# KiCad board einkPDA_keyboard.kicad_pcb (continued)
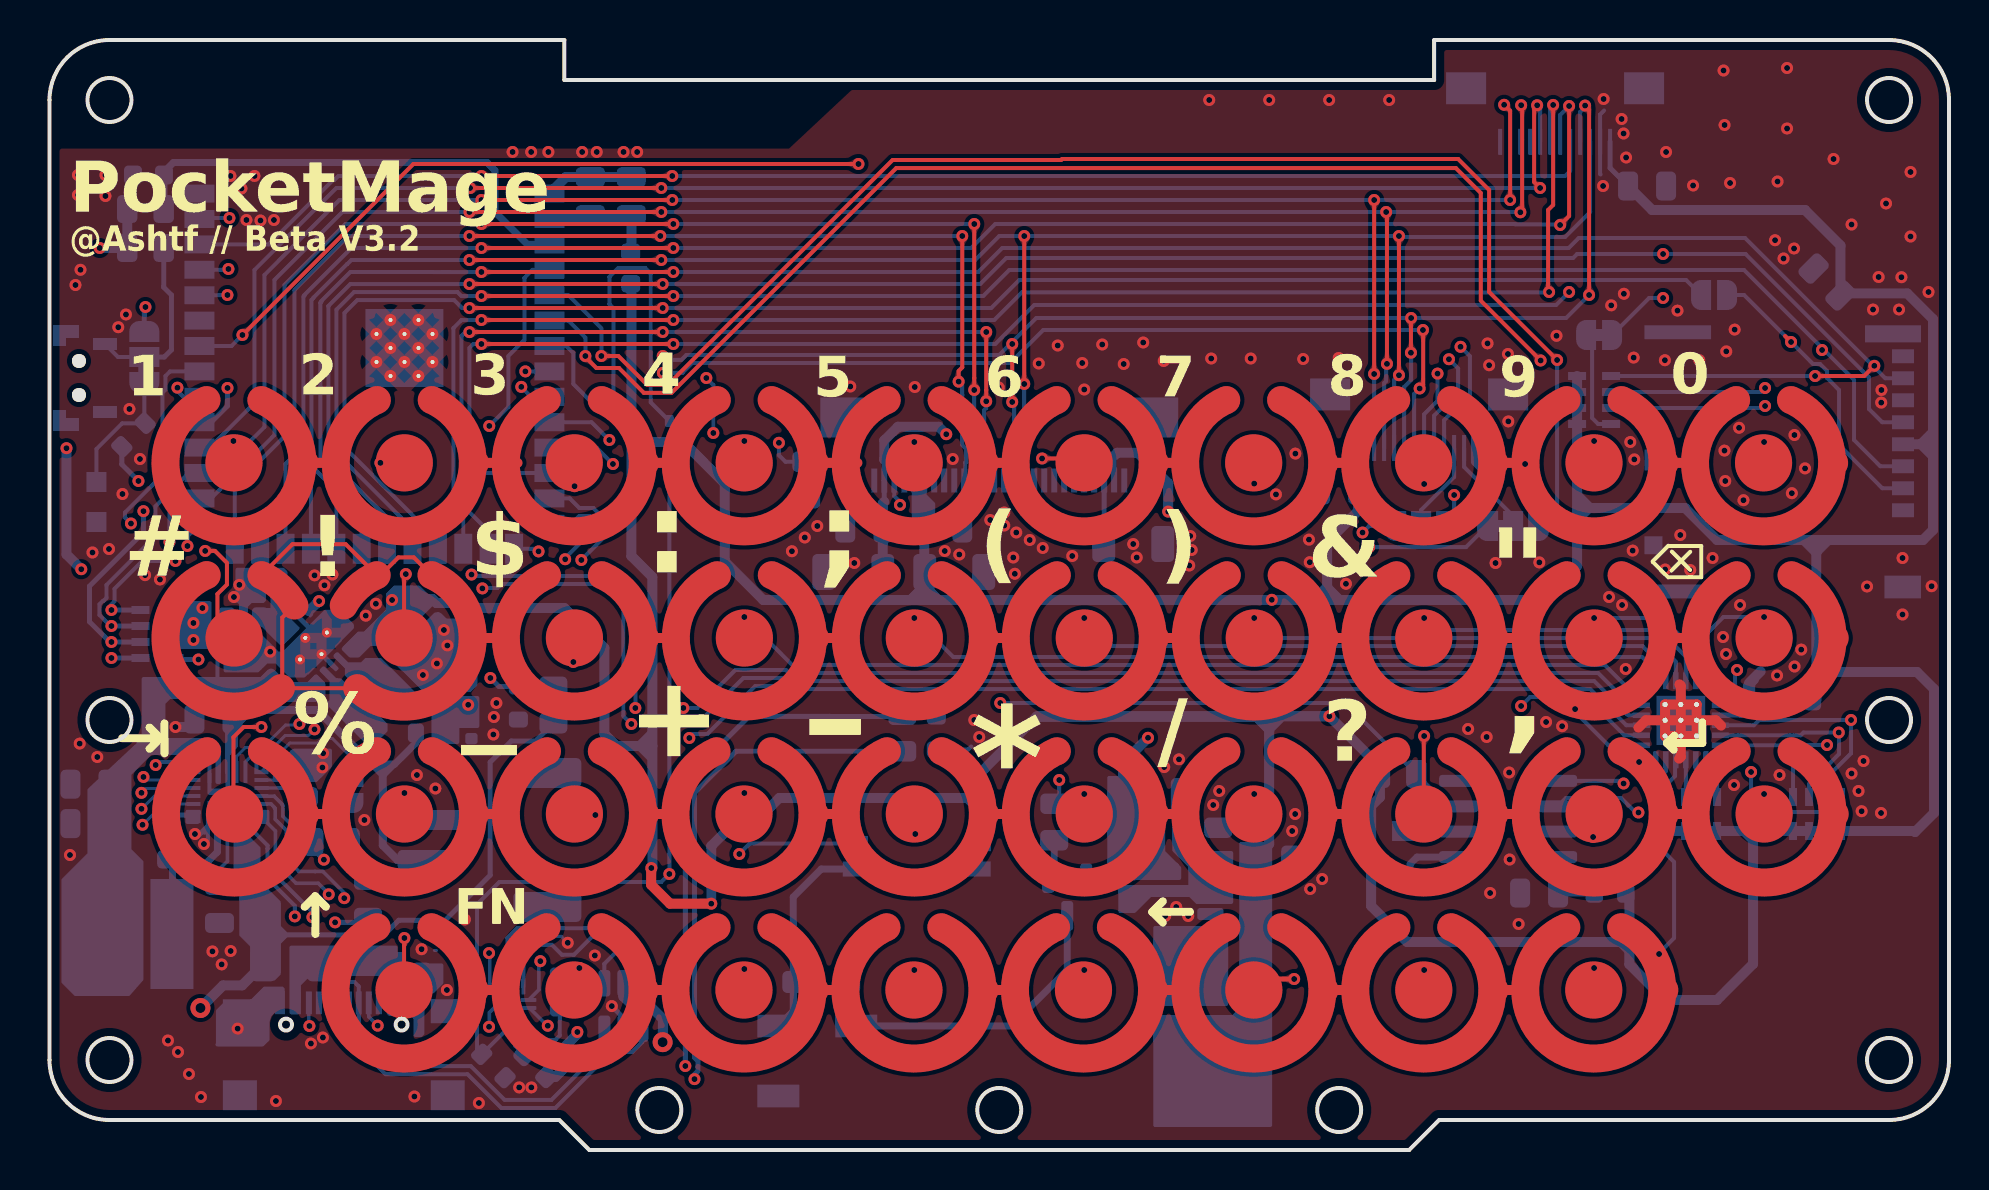
[diagram p0: board, top side]
## Footprints (pads in the part's own frame, mm; a bottom-side part is the same pattern mirrored in y, then rotated) (continued)
SolderJumper-3_P1.3mm_Bridged12_RoundedPad1.0x1.5mm
  custom 1.05x1.5 smd: 1(-1.3,0) 3(1.3,0)
  rect 1x1.5 smd: 2(0,0)
SOT-23
  rrect 1.475x0.6 smd: 1(-0.938,0.95) 2(-0.938,-0.95) 3(0.938,0)
SOT-23-5
  rrect 1.325x0.6 smd: 1(-1.137,0.95) 2(-1.137,0) 3(-1.137,-0.95) 4(1.137,-0.95) 5(1.137,0.95)
SOT-23-6
  rrect 1.325x0.6 smd: 1(-1.137,0.95) 2(-1.137,0) 3(-1.137,-0.95) 4(1.137,-0.95) 5(1.137,0) 6(1.137,0.95)
SW-SMD_TS24CA
  round 0.7 hole 0.7 unplated: (-0.85,0.325) (0.85,0.325)
  custom 1.05x1.3 smd: 1(-2.125,0.975) 2(2.125,0.975)
  rect 0.6x1.2 smd: 3(-1.7,-0.975) 4(1.7,-0.975)
TestPoint_Pad_1.0x1.0mm
  rect 1x1 smd: 1(0,0)
Texas_DRC0010J_ThermalVias
  rrect 0.25x0.34 smd: (-0.25,-1.53) (-0.25,1.53) (0.25,-1.53) (0.25,1.53)
  rrect 1.5x1.06 smd: (0,-0.63) (0,0.63)
  rrect 0.6x0.24 smd: 1(-1.4,1) 2(-1.4,0.5) 3(-1.4,0) 4(-1.4,-0.5) 5(-1.4,-1) 6(1.4,-1) 7(1.4,-0.5) 8(1.4,0) 9(1.4,0.5) 10(1.4,1)
  round 0.5 hole 0.2: 11(-0.575,0) 11(0,-0.95) 11(0,0.95) 11(0.575,0)
  custom 1.65x3.4 smd: 11(0,0)
TF-SMD_503398-1892
  rect 0.7x1.1 smd: 1(-2.42,6.27) 2(-1.32,6.27) 3(-0.22,6.27) 4(0.88,6.27) 5(1.98,6.27) 6(3.08,6.27) 7(4.18,6.27) 8(5.28,6.27)
  rect 0.7x3.33 smd: 9(-6.48,-4.995) 9(6.48,-4.995)
  rect 1.14x1.83 smd: 9(-6.26,6.255)
  rect 0.9x0.9 smd: 9(-4.17,-6.21)
  rect 1.05x0.78 smd: 9(0.095,-6.27)
  rect 0.86x2.8 smd: 9(6.4,5.77)
UQFN-10_1.4x1.8mm_P0.4mm
  rrect 0.975x0.2 smd: 1(-0.562,0.2)
  rrect 0.775x0.2 smd: 2(-0.662,-0.2) 6(0.662,-0.2) 7(0.662,0.2)
  rrect 0.2x0.775 smd: 3(-0.4,-0.863) 4(0,-0.863) 5(0.4,-0.863) 8(0.4,0.863) 9(0,0.863) 10(-0.4,0.863)
USB-TYPE-C-SMD_TYPE-C-16P-QTWT
  rect 0.5x1.14 smd: A1(-3.2,2.308) A4(-2.4,2.308) A9(2.4,2.308) A12(3.2,2.308)
  rect 0.3x1.14 smd: A5(-1.25,2.308) A6(-0.25,2.308) A7(0.25,2.308) A8(1.25,2.309) B5(1.75,2.308) B6(0.75,2.308) B7(-0.75,2.308) B8(-1.75,2.309)
  rect 1.7x1.5 smd: S1(-5.2,-2.309) S1(5.2,-2.309)
  rect 1.7x1.2 smd: S1(-5.2,1.891) S1(5.2,1.891)

## Nets
+3.3V: C6.2 C10.2 C16.1 C17.1 C21.2 C22.2 C24.1 C31.2 C32.2 FB1.1 FB2.2 FB3.1 J2.12 J3.21 J3.22 J4.4 J5.1 L1.1 R1.1 R11.2 R14.1 RN1.1 RN1.2 RN1.3 RN1.4 RN2.5 RN2.6 RN2.7 RN2.8 RN3.1 RN3.2 RN3.3 RN3.4 RN4.5 RN4.6 RN4.7 SW4.1 SW4.2 U3.1 U3.10 U7.4 U7.5 U10.9
+12V: C11.2 C12.1 C13.1 C15.1 D2.1 J3.2 J3.25 R12.1
GND: C1.1 C2.1 C3.1 C6.1 C7.2 C8.2 C9.1 C10.1 C12.2 C13.2 C14.2 C15.2 C16.2 C17.2 C19.2 C20.1 C21.1 C22.1 C23.1 C24.2 C25.2 C26.1 C28.1 C29.1 C30.1 C31.1 C32.1 J1.A1 J1.A12 J1.S1 J2.11 J3.4 J3.5 J3.6 J3.7 J3.8 J3.9 J3.13 J3.14 J3.18 J3.19 J3.20 J3.23 J4.6 J4.9 J5.12 JP6.1 Q1.2 R3.2 R7.2 R10.2 R13.2 R18.2 R20.2 SW43.4 TH1.2 TP2.1 U1.1 U1.40 U1.41 U2.2 U3.3 U3.9 U3.11 U4.4 U5.19 U5.25 U5.V U6.1 U7.2 U9.5 U9.18 U10.4
BAT+: C26.2 R6.1 U6.3 U9.12 U9.14
BAT_MEAS: C19.1 R6.2 R7.1 U1.4
BMS_INT: RN4.4 U1.33 U9.8
BOOT: JP2.1 R8.1 TP1.1
BUSY: J2.5 U1.30
BUZZER: R15.1 U1.10
BZ_CUTOFF: BZ1.1 D3.1 SW4.3
CHRG: R9.2 R10.1 U1.32
col1: SW1.1 SW2.1 SW3.1 U5.9
col2: SW7.1 SW8.1 SW9.1 SW10.1 U5.10
col3: SW13.1 SW14.1 SW15.1 SW16.1 U5.11
col4: SW19.1 SW20.1 SW21.1 SW22.1 U5.12
col5: SW25.1 SW26.1 SW27.1 SW28.1 U5.13
col6: SW31.1 SW32.1 SW33.1 SW34.1 U5.14
col7: SW37.1 SW38.1 SW39.1 SW40.1 U5.15
col8: SW5.1 SW6.1 SW11.1 SW12.1 U5.16
col9: SW17.1 SW18.1 SW23.1 SW24.1 U5.17
col10: SW29.1 SW30.1 SW35.1 U5.18
CS: J2.8 U1.38
D/C: J2.7 U1.23
EN: C1.2 R1.2 U1.3
ESP_D+: U1.14 U10.2
ESP_D-: U1.13 U10.6
EX_A: J5.7 U1.15
EX_B: J5.8 U1.11
EX_C: J5.9 U1.34
EX_D: JP4.3 U1.6
EX_E: JP5.3 U1.5
I2C_SCL: J2.3 J5.3 RN1.6 RN4.2 U1.28 U4.6 U5.23 U9.16
I2C_SDA: J2.2 J5.2 RN1.7 RN4.3 U1.29 U4.5 U5.22 U9.15
IC_D+: U9.21 U10.1
IC_D-: U9.20 U10.7
INT: RN1.5 U1.12 U5.24
OLED_CS: J3.17 U1.24
OLED_D/C: J3.15 U1.16
OLED_RES: J3.16 U1.26
PWR_BTN: JP2.3 U1.31
RES: J2.6 U1.17
row1: SW1.2 SW5.2 SW7.2 SW13.2 SW17.2 SW19.2 SW25.2 SW29.2 SW31.2 SW37.2 U5.8
row2: SW2.2 SW6.2 SW8.2 SW14.2 SW18.2 SW20.2 SW26.2 SW30.2 SW32.2 SW38.2 U5.7
row3: SW3.2 SW9.2 SW11.2 SW15.2 SW21.2 SW23.2 SW27.2 SW33.2 SW35.2 SW39.2 U5.6
row4: SW10.2 SW12.2 SW16.2 SW22.2 SW24.2 SW28.2 SW34.2 SW40.2 U5.5
RTC_INT: R11.1 U1.39 U4.3
RX: JP5.1 U1.36
SD_CLK: J4.5 JP3.1 U1.20
SD_CMD: J4.3 RN3.6 U1.19
SD_CS: JP1.1 U1.18
SD_D0: J4.7 RN3.5 U1.21
SPI_MISO: J5.6 U1.9
SPI_MOSI: J2.10 J3.11 J5.4 U1.22
SPI_SCK: J2.9 J3.12 J5.5 U1.8
TX: JP4.1 U1.37
USB_5V: F1.2 R9.1 U2.5 U9.2
USB_D+: U2.6 U10.3
USB_D-: U2.4 U10.5
USB_SW: D5.2 U1.7
V_SYS: C28.2 C29.2 C30.2 L2.2 R2.2 U3.5 U9.13
Net-(BZ1--): BZ1.2 D3.2 Q1.3
Net-(C20-Pad2): C20.2 F1.1 J1.A4 J1.A9
Net-(D1-A): D1.2 R16.1
Net-(D1-K): D1.1 U9.11
Net-(D2-A): D2.2 L1.2 U7.1
Net-(D5-K): D5.1 R18.1 SW4.4 U10.10
Net-(J1-CC1): J1.A5 U9.1
Net-(J1-CC2): J1.B5 U9.22
Net-(J1-D+-PadA6): J1.A6 J1.B6 U2.1
Net-(J1-D--PadA7): J1.A7 J1.B7 U2.3
Net-(J3-Pin_3): C14.1 J3.3
Net-(J3-Pin_24): J3.24 R20.1
Net-(J4-DAT3/CD): J4.2 JP1.2 RN3.7
Net-(J5-Pin_10): J5.10 JP4.2
Net-(J5-Pin_11): J5.11 JP5.2
Net-(JP2-C): JP2.2 R14.2 SW43.3
Net-(JP3-B): JP3.2 RN3.8
Net-(JP6-B): JP6.2 U9.17
Net-(Q1-B): Q1.1 R15.2
Net-(RN1-R1.2): RN1.8 U5.20
Net-(RN2-R1.1): RN2.1 U5.4
Net-(RN2-R2.1): RN2.2 U5.3
Net-(RN2-R3.1): RN2.3 U5.2
Net-(RN2-R4.1): RN2.4 U5.1
Net-(RN4-R1.1): RN4.1 U9.9
Net-(RN4-R1.2): C25.1 R16.2 RN4.8 U9.19
Net-(U1-3V3): C2.2 C3.2 FB1.2 U1.2
Net-(U1-IO0): R8.2 U1.27
Net-(U3-EN): C7.1 R2.1 U3.6 U3.7 U3.8
Net-(U3-L1): L3.1 U3.4
Net-(U3-L2): L3.2 U3.2
Net-(U4-OSCI): U4.1 Y1.1
Net-(U4-OSCO): U4.2 Y1.2
Net-(U4-VDD): C9.2 FB3.2 U4.8
Net-(U5-VCC): C8.1 FB2.1 U5.21
Net-(U7-FB): C11.1 R12.2 R13.1 U7.3
Net-(U9-BST): C27.2 U9.6
Net-(U9-NTC1): R17.1 TH1.1 U9.10
Net-(U9-PMID): C23.2 U9.3
Net-(U9-SW): C27.1 L2.1 U9.4
Net-(U9-VRNTC): R17.2 U9.7
Net-(U10-~{OE}): R3.1 U10.8

Pads without a net: BZ1 3; J1 A8 B8; J2 0 1 4; J3 1 10 26; J4 1 8; J5 0; SW43 1 2; U1 25 35; U4 7

## Via types
v1: diameter 0.6, hole 0.3, Top to Bottom, 432 vias
v2: diameter 1, hole 0.5, Top to Bottom, 2 vias

## Routing (per net, layer and track width the routed paths; a pad name or vN(x,y) marks a point on that pad's centre or on a via; arc(x,y) is an arc through that point)
+3.3V: length 394.3
  Top w0.5: v1(33.1,12.32) 31.03,12.32 30.09,13.26 30.09,14.09 v1(30.1,14.1)
  In2.Cu w0.25: 13.45,27.48 v1(13.48,27.44)
  In2.Cu w0.5: v1(0.85,35.09) 2.51,36.75 v1(2.51,45.1) ; 7.65,27.77 7.65,28.73 10.33,31.4 13.55,31.4 ; 7.65,27.77 v1(7.65,27.1) 7.25,26.7 7.24,26.7 7.24,26.39 v1(7.2,26.35) v1(7.2,25.5) ; 7.65,27.77 4.56,27.77 3.28,29.04 v1(1.59,29.04) ; v1(17.13,27.5) 17.13,28.3 17.05,28.39 17.05,29.01 17.13,29.1 17.13,30.02 15.75,31.4 13.55,31.4 ; v1(13.48,27.44) 11.92,29 11.92,31.4 13.55,31.4 ; v1(61.13,27.51) 64.01,24.63 v1(64.01,21.69) ; v1(26.4,5.9) 28.83,5.9 30.1,7.17 v1(30.1,14.1)
  Bottom w0.2: C6.2 23.3,5.2 U10.9 ; 12.99,26.89 U3.10
  Bottom w0.25: v1(13.48,27.44) 12.93,26.89 U3.10 ; J2.12 78.05,49.1 C21.2
  Bottom w0.5: 88.4,30.5 83.4,30.5 81.8,32.1 76.4,32.1 ; 88.4,30.5 88.36,30.46 88.36,22.5 88.36,23.9 93.4,23.9 94.25,23.05 94.25,16.85 93.3,15.9 93.25,15.95 85.2,15.95 ; 88.4,30.5 93.7,30.5 94.2,31 94.2,35.3 ; 76.4,32.1 RN3.4 ; 76.4,32.1 76.4,29.2 74.7,27.5 63.9,27.5 ; 94.2,35.3 94.19,35.29 J4.4 ; 94.2,35.3 94.2,41.54 92.91,42.83 89.67,42.83 C24.1 89.57,45.23 87.8,47 80.15,47 C21.2 ; C10.2 61,15.3 61,21.66 49.36,21.66 ; 46.45,17.6 36.5,17.6 35.9,17 34.9,17 33.1,15.2 v1(33.1,12.32) ; 46.45,17.6 46.45,18.75 49.36,21.66 ; 46.45,17.6 SW4.2 ; 79.01,10.4 79.01,12.85 ; 79.01,10.4 67.9,10.4 66.1,12.2 66.1,17.2 66.54,17.64 R11.2 66.54,19.16 v1(64.01,21.69) ; 79.01,10.4 79.01,9.29 80.8,7.5 83.4,7.5 85.2,9.3 85.2,15.95 ; C17.1 43.75,27.65 43.8,27.6 ; 29.1,35.4 31.7,35.4 33.78,33.33 33.78,29.42 35.7,27.5 63.9,27.5 ; 29.1,35.4 29.1,29.7 30.15,28.65 30.15,20.2 ; 29.1,35.4 29.1,43.04 ; 30.15,20.2 30.15,14.15 v1(30.1,14.1) ; 30.15,20.2 28.35,20.2 27.75,20.8 27.75,25.1 25.75,27.1 20.55,27.1 20.3,27.35 19.35,27.35 19.15,27.55 18.01,27.55 C32.2 ; v1(64.01,21.69) 61.79,21.69 ; v1(64.01,21.69) 49.39,21.69 49.36,21.66 ; 85.2,15.95 RN2.8 ; C6.2 25.35,4.75 26.4,5.8 v1(26.4,5.9) ; R1.1 R14.1 v1(2.51,45.1) ; 63.9,27.5 63.9,30.4 65.45,31.95 C22.2 65.45,34.85 65.7,35.1 ; v1(13.48,27.44) 13.39,27.36 13.38,27.36 12.97,26.95 ; v1(0.85,35.09) 0.85,29.78 v1(1.59,29.04)
+12V: length 44.1
  In2.Cu w0.5: v1(44.85,35.79) 44.85,35.77 45.29,35.33 52.54,35.33 v1(55.95,31.92) 55.95,21.62 v1(54.94,20.61)
  Bottom w0.25: 41.74,34.53 41.75,34.52 J3.25 41.75,32.41 ; J3.2 53.25,34.71 53.26,34.72
  Bottom w0.3: 53.26,34.72 53.25,34.71
  Bottom w0.5: v1(44.85,35.79) 44.48,36.16 42.43,36.16 41.75,35.48 41.75,34.53 41.74,34.53 ; v1(55.95,31.92) 55.95,33.34 54.43,34.86 53.4,34.86 53.26,34.72 ; C13.1 41.67,32.33 41.75,32.41 ; C12.1 53.7,19.37 v1(54.94,20.61)
GND: length 44.4
  Top w0.5: 81.5,19.57 81.59,19.66 U5.V ; 81.52,23.28 81.59,23.21 U5.V ; U5.V U5.V U5.V U5.V ; U5.V U5.V U5.V U5.V ; U5.V U5.V ; 79.47,21.12 79.84,21.49 U5.25 83.33,21.49 83.6,21.22
  Bottom w0.15: 11.43,18.5 11.46,18.53 ; v1(25.92,10.36) 25.6,10.68 23.51,10.68 23.3,10.47 U10.4 ; 19.25,9.97 19.35,9.97
  Bottom w0.16: U9.18 11.43,18.5
  Bottom w0.18: 81.18,21.84 81.18,21.87 U5.V
  Bottom w0.2: 46.1,20.17 45.95,20.03 TH1.2 ; 77.57,48.77 77.55,48.8 J2.11 77.55,51.77 77.75,51.98 ; 7.76,15.86 7.76,15.99 8,16.23 U9.5 7.92,16.82 7.92,15.5 v1(7.72,15.3)
  Bottom w0.25: v1(7.27,15.8) 7.32,15.75 7.47,15.75 8,16.28 U9.5 ; v1(28.12,7.2) 28.7,6.62 U2.2 ; U3.11 13.2,25.9 U3.9 ; U3.3 U3.11
  Bottom w0.5: 26.79,8.05 26.17,8.05 25.5,8.72 ; 25.95,4.3 25.3,3.65 C6.1 ; C26.1 6.85,21.15 v1(6.3,21.15) ; C8.2 85,23.28 85.25,23.53 ; U1.1 25.83,48.65 C2.1 ; 85,23.35 85.58,23.93
  vias: v1(1.02,14.75) v1(1.3,43.25) v1(1.42,48.75) v1(1.42,47.75) v1(1.55,44.01) v1(1.51,20.32) v1(2.15,29.88) v1(2.39,19.65) v1(2.8,48.75) v1(2.8,47.7) v1(2.98,30.05) v1(3.44,41.14) v1(3.65,32.8) v1(3.83,41.77) v1(4,37.05) v1(4.53,34.55) v1(4.78,28.74) v1(5.53,28.52) v1(5.92,5.47) v1(6.42,4.9) v1(6.97,3.8) v1(7.58,2.65) v1(8.15,9.93) v1(8.61,9.28) v1(9.05,48.7) v1(9.06,9.95) v1(9.22,27.65) v1(9.41,6.07) v1(9.5,28.26) v1(9.6,48.08) v1(9.85,46.5) v1(10.25,48.7) v1(10.55,46.48) v1(11.04,24.91) v1(11.22,46.5) v1(11.33,2.45) v1(13.08,5.33) v1(13.26,28.73) v1(13.69,19.84) v1(13.65,19.12) v1(13.67,5.62) v1(13.75,28.24) v1(14.15,28.77) v1(15.75,16.5) v1(15.82,26.72) v1(16.33,27.31) v1(18.25,2.67) v1(18.38,18.75) v1(18.61,10.04) v1(18.67,23.75) v1(19.3,18.08) v1(19.38,24.33) v1(19.72,26) v1(19.9,25.22) v1(19.88,8) v1(20.78,11.53) v1(21.47,2.35) v1(22.22,21.65) v1(22.2,20.78) v1(22.35,22.35) v1(23.16,49.9) v1(23.49,3.13) v1(24.09,49.9) v1(24.1,3.13) v1(24.95,49.9) v1(26.64,49.9) v1(27.28,9.72) v1(27.37,49.9) v1(28.71,49.9) v1(29.39,49.9) v1(37.13,29.94) v1(37.78,30.62) v1(38.4,31.2) v1(40.05,38.17) v1(40.25,29.35) v1(43.28,38.15) v1(44.78,29.95) v1(45.17,34.55) v1(45.5,29.77) v1(46.25,21.5) v1(46.5,20.65) v1(47.05,31.5) v1(47.47,38.12) v1(47.75,31.88) v1(47.75,31.23) v1(48.2,29.62) v1(48.35,30.88) v1(48.28,28.81) v1(49.03,30.5) v1(49.47,39.33) v1(49.67,30.1) v1(50.42,40.23) v1(51.15,29.7) v1(51.65,39.35) v1(51.75,38.02) v1(52.65,40.27) v1(53.72,39.3) v1(54.2,30.3) v1(54.38,29.62) v1(54.7,40.38) v1(55.72,39.45) v1(55.75,19.15) v1(55.8,11.7) v1(56.35,12.15) v1(56.49,19.53) v1(57.05,30.7) v1(57,29.23) v1(56.95,11.7) v1(57.12,30) v1(58,52.5) v1(58.1,39.58) v1(58.2,17.25) v1(58.5,17.95) v1(60.08,39.58) v1(61,52.5) v1(61.34,32.78) v1(62.15,15.95) v1(62.31,34.82) v1(62.3,16.8) v1(62.7,39.55) v1(62.99,30.52) v1(63.03,29.39) v1(63.05,13.05) v1(63.65,13.55) v1(64,52.5) v1(64.47,39.6) v1(64.84,28.31) v1(67,52.5) v1(70.95,21.05) v1(71.92,40.33) v1(71.88,20.65) v1(72,39.24) v1(72.05,12.85) v1(72.32,29.35) v1(72.94,39.8) v1(72.96,36.43) v1(73,18.88) v1(73.03,14.53) v1(73.47,11.3) v1(74.51,29.38) v1(74.85,21.4) v1(75.37,40.71) v1(75.65,21.19) v1(77.72,52.55) v1(77.7,48.2) v1(78,27.65) v1(78.11,42.23) v1(78.62,51.55) v1(78.72,50.83) v1(78.74,42.81) v1(78.65,27.25) v1(78.85,49.62) v1(78.83,24.05) v1(79.06,35.4) v1(79.23,39.62) v1(79.18,29.97) v1(79.26,34.53) v1(80.85,49.9) v1(80.79,39.49) v1(80.8,29.02) v1(81.42,41.97) v1(81.56,30.75) v1(82.06,29) v1(82.2,48.23) v1(82.51,39.49) v1(83.18,29.6) v1(83.72,53.98) v1(83.7,25.65) v1(83.78,51.25) v1(83.77,34.97) v1(83.81,33.45) v1(83.85,24.8) v1(83.86,39.93) v1(84.05,48.35) v1(84.28,41.02) v1(84.25,18.25) v1(84.5,36.11) v1(84.55,27.25) v1(84.72,32.49) v1(86.3,45.49) v1(86.43,48.42) v1(86.4,23.72) v1(86.53,18.75) v1(86.72,44.58) v1(86.9,54.1) v1(86.9,51.08) v1(87.14,32.84) v1(87.25,45.08) v1(87.27,35.75) v1(87.28,24.17) v1(87.61,25.02) v1(87.8,34.08) v1(89.22,49.55) v1(90.12,46.27) v1(90.12,18.83) v1(90.47,17.95) v1(90.63,16.94) v1(90.72,19.45) v1(90.9,28.17) v1(91.2,42.02) v1(91.48,43.65) v1(91.62,38) v1(91.61,37.37) v1(91.6,16.85) v1(91.85,47.33) v1(92.5,42.02) v1(92.62,43.64) v1(92.68,29.6) v1(92.68,26.77) v1(93.07,48.9) v1(93.07,45.67) v1(93.97,42.9) v1(94.13,28.19)
(no net): length 10.6
  Top w0.2: 10.6,28.74 12.15,30.29 14.81,30.29 16.36,28.74 16.68,29.06 16.88,29.06 17.45,29.63 18.22,29.63 18.79,29.06 18.96,29.06 19.11,28.91 19.11,28.75
BAT+: length 20.2
  Bottom w0.25: 9.08,20.01 8.9,19.83 U9.14
  Bottom w0.35: 16.2,19.29 17.26,19.29 18.33,20.36 R6.1
  Bottom w0.4: 9.08,21.02 10.06,22 13.4,22 16.11,19.29 16.66,19.29 16.67,19.28 16.67,15.23 17.4,14.5 U6.3
BAT_MEAS: length 24.2
  In2.Cu w0.2: v1(22,36.2) 22.25,35.95 22.25,27.75 20.94,26.44 v1(20.94,22.26)
  Bottom w0.2: v1(22,36.2) 22.95,37.16 22.95,39.7 23.75,40.5 23.75,43.6 24.16,44.01 U1.4 ; 20.92,22.28 v1(20.94,22.26)
BMS_INT: length 38.3
  In2.Cu w0.15: v1(3.1,27) 1.4,27 0.58,26.18 0.58,19.92 3.44,17.06 v1(4.6,17.06)
  In2.Cu w0.2: v1(6.3,29.45) 6.05,29.45 4.17,31.33 v1(4.08,31.33)
  Bottom w0.15: v1(3.1,27) 4.9,27 ; v1(4.6,17.06) 4.61,17.06 5.26,17.7 U9.8
  Bottom w0.2: v1(4.08,31.33) 3.78,31.62 3.78,31.88 5.65,33.75 5.65,37.87 5.8,38.02 5.8,38.7 6.03,38.93 U1.33 ; v1(6.3,29.45) 4.64,29.45 3.25,28.06 3.25,27.43 3.1,27.28 v1(3.1,27)
  Bottom w0.25: v1(3.1,27) RN4.4
BOOT: length 7.1
  Bottom w0.2: TP1.1 2.35,35.05 3.63,36.33 R8.1 ; 4.83,35.93 4.74,36.03 JP2.1
BUSY: length 82.4
  Top w0.2: v1(74.55,48.1) 74.25,48.4 74.25,52.09 v1(74.4,52.24) ; v1(30.6,48.1) v1(21.03,48.1)
  Bottom w0.2: v1(30.6,48.1) 74.4,48.1 ; v1(21.03,48.1) 14.35,48.1 10.25,44 10.25,37.35 8.02,35.12 U1.30 ; v1(74.4,52.24) 74.55,52.09 J2.5
BUZZER: length 61
  In2.Cu w0.2: v1(50.5,18.5) 50.5,11.25 46.75,7.5 35.45,7.5 34.1,8.85 34.1,9.4 35.82,11.12 35.82,15.78 34.1,17.5 34.1,29.4 v1(28,35.5)
  Bottom w0.2: v1(50.5,18.5) 50.5,17.56 R15.1 ; v1(28,35.5) 27.11,36.39 U1.10
BZ_CUTOFF: length 10.4
  Bottom w0.35: BZ1.1 37.2,6.95 D3.1 37.2,12.65 38.6,14.05 SW4.3
CHRG: length 35.1
  In2.Cu w0.2: v1(6.4,38.12) 8.11,36.4 18.57,36.4 18.97,36.8 22.24,36.8 22.65,36.4 22.65,24.2 v1(22.05,23.6)
  Bottom w0.2: U1.32 6.69,37.66 6.4,37.95 6.4,38.11 v1(6.4,38.12)
  Bottom w0.25: R9.2 23.46,23.16 R10.1 22.47,23.17 v1(22.05,23.6)
col1: length 126.9
  Top w0.2: SW1.1 9.23,35.42 v1(9.2,35.45) ; SW2.1 8.4,26.43 8.4,27.8 8.88,28.27 8.88,29.35 8.28,29.95 v1(7.79,29.95) ; v1(10.6,21.15) 9.71,21.15 9.2,20.64 9.2,17.9 9.25,17.85 SW3.1
  In2.Cu w0.2: v1(29.1,21.3) 29.54,21.3 30.14,20.7 31.9,20.7 v1(32,20.6) ; v1(21.65,28.08) 21.65,28.12 21.71,28.18 21.71,32.34 18.06,35.99 9.74,35.99 v1(9.2,35.45) 9.2,31.4 7.8,30 7.8,29.97 v1(7.79,29.95) 7.78,29.95 6.68,28.85 6.05,28.85 5.73,29.17 5.72,29.17 4.24,30.65 1.67,30.65 0.62,29.6 0.62,28.25 1.24,27.63 3.61,27.63 3.82,27.42 3.82,26.95 9.62,21.15 v1(10.6,21.15)
  Bottom w0.2: v1(21.65,28.08) 21.67,28.1 22.4,28.1 22.6,28.3 28.3,28.3 28.7,27.9 28.7,21.7 v1(29.1,21.3) ; U5.9 78.86,21.24 77.05,23.05 36.65,23.05 36.5,23.2 35.3,23.2 32.9,20.8 32.2,20.8 v1(32,20.6)
col2: length 102.3
  Top w0.2: v1(17.82,28.8) 17.83,28.79 17.83,28.73 17.73,28.63 SW8.1 ; v1(16.55,34.36) SW7.1 ; v1(17.75,10.6) 17.75,10.25 17.73,10.23 SW10.1
  In2.Cu w0.2: v1(16.55,34.36) 17.75,33.16 17.75,23.79 18.8,22.74 18.8,22.46 17.75,21.41 v1(17.75,17.85) v1(17.75,10.6) ; 17.75,28.7 20.96,28.7 21.03,28.77 v1(21.11,28.77) ; v1(32.6,21.5) 30.5,21.5 29.9,22.1 v1(29.3,22.1)
  Bottom w0.2: v1(29.3,22.1) 29.3,28.2 28.8,28.7 21.18,28.7 21.11,28.77 v1(21.11,28.77) ; v1(32.6,21.5) 34.7,23.6 36.67,23.6 36.82,23.45 77.25,23.45 78.89,21.81 78.89,21.8 78.9,21.8 78.96,21.74 U5.10
col3: length 84.2
  Top w0.2: SW13.1 26.26,34.34 v1(26.26,33.19) ; SW16.1 26.23,8.83 v1(26.5,9.1)
  In2.Cu w0.2: v1(26.5,9.1) 26.78,9.38 26.67,9.48 26.67,9.97 26.98,10.28 26.98,16.43 v1(27.3,16.75) 26.2,17.85 v1(26.2,24.4) ; v1(26.2,24.4) 26.2,28.15 27.25,29.2 27.25,32.2 v1(26.26,33.19) ; v1(26.2,24.4) 26.3,24.5 26.3,24.4 28,22.7 29.55,22.7 29.75,22.5 30.07,22.5 30.07,22.5 31.3,22.5 v1(31.7,22.1)
  Bottom w0.2: v1(31.7,22.1) 32.4,22.1 34.3,24 36.83,24 36.98,23.85 77.45,23.85 78.89,22.41 78.89,22.38 78.97,22.3 79,22.3 79.06,22.24 U5.11
col4: length 75.5
  Top w0.2: SW19.1 34.75,35.45 v1(34.75,35.45)
  In2.Cu w0.2: v1(34.75,9.05) 36.59,10.89 36.59,16.01 v1(34.75,17.85) v1(34.75,26.65) v1(34.75,35.45)
  Bottom w0.2: v1(34.75,26.65) 37.15,24.25 77.78,24.25 79.29,22.74 U5.12
col5: length 69.4
  Top w0.2: v1(43.25,35.4) 43.25,35.4 SW25.1
  In2.Cu w0.2: v1(43.25,35.4) v1(43.25,26.6) 42.4,26.6 40.55,24.75 40.55,17.75 42.5,15.8 v1(43.3,15.8) 43.25,15.75 v1(43.25,9)
  Bottom w0.2: U5.13 80.34,23.96 79.65,24.65 45.2,24.65 v1(43.25,26.6)
col6: length 60.5
  Top w0.2: SW31.1 51.39,34.71 51.39,34.58 v1(49.64,34.58)
  In2.Cu w0.2: v1(49.64,34.58) 51.19,34.58 51.75,34.01 v1(51.75,26.6) v1(51.75,17.8) v1(51.75,9)
  Bottom w0.2: U5.14 80.84,24.03 79.67,25.2 53.15,25.2 v1(51.75,26.6)
col7: length 51.8
  Top w0.2: v1(60.25,33.32) 60.25,34.33 SW37.1
  Top w0.25: v1(62.25,8.55) 60.78,8.55 SW40.1
  In2.Cu w0.2: v1(62.25,8.55) 60.25,10.55 v1(60.25,17.8) v1(60.25,26.6) v1(60.25,33.32)
  Bottom w0.2: U5.15 81.34,24.41 80.15,25.6 61.25,25.6 v1(60.25,26.6)
col8: length 48
  Top w0.2: SW11.1 68.73,20.68 v1(68.75,20.7) ; v1(68.75,33.3) 68.73,33.32 SW5.1
  In2.Cu w0.2: v1(68.75,9) 66.6,9 65.85,9.75 65.85,17.8 v1(68.75,20.7) v1(68.75,26.6) v1(68.75,33.3)
  Bottom w0.2: v1(68.75,26.6) 69.35,26 80.5,26 81.84,24.66 U5.16
col9: length 34.7
  Top w0.2: SW17.1 77.25,35.45 v1(77.25,35.45)
  In2.Cu w0.2: v1(77.25,9.1) 77.25,15.5 77.2,15.55 v1(77.2,15.65) 77.2,17.85 77.25,17.9 v1(77.25,26.6) v1(77.25,35.45)
  Bottom w0.2: v1(77.25,26.6) 80.65,26.6 82.34,24.91 U5.17
col10: length 23.2
  In2.Cu w0.2: v1(85.75,17.8) v1(85.75,26.65) v1(85.75,35.4)
  Bottom w0.2: U5.18 82.84,25.77 83.72,26.65 v1(85.75,26.65)
CS: length 71.5
  Top w0.2: v1(21.6,48.7) v1(31.15,48.7)
  Bottom w0.2: J2.8 76.05,48.95 75.8,48.7 v1(31.15,48.7) ; v1(21.6,48.7) 21.28,48.7 20.79,48.7 20.78,48.7 14.45,48.7 14.25,48.5 14.18,48.5 10.96,45.28 U1.38
D/C: length 85.8
  Top w0.2: v1(75.55,46.25) 76,46.7 v1(76,52.2) ; v1(21.6,45.1) v1(31.2,45.1)
  Bottom w0.2: J2.7 75.55,51.75 v1(76,52.2) ; 19.4,45.1 21.53,45.1 21.53,45.1 v1(21.6,45.1) ; 19.4,45.1 19.15,45.1 19.15,45.1 15.1,45.1 12.75,42.75 12.75,42.72 12.7,42.67 12.7,34.04 12.75,33.99 12.75,33.95 13.08,33.63 U1.23 ; 19.4,45.1 19.65,45.1 19.65,45.1 19.93,45.1 ; v1(75.55,46.25) 75.52,46.28 73.31,46.28 73.3,46.3 47.3,46.3 46.1,45.1 v1(31.2,45.1)
EN: length 24.2
  Bottom w0.35: R1.2 5.72,47.06 5.72,48.75 ; U1.3 23.9,45.28 22.28,46.9 22.28,48.98 21.88,49.38 6.2,49.38 5.67,48.85
ESP_D+: length 29
  In2.Cu w0.2: v1(25.79,29.54) 25.84,29.54 25.85,29.55 23.2,26.9 23.2,11 22.05,9.85 v1(21.98,9.85)
  Bottom w0.18: U10.2 22.03,8.11 22.03,9.81 v1(21.98,9.85)
  Bottom w0.2: v1(25.79,29.54) 25.79,29.59 27.2,31 27.2,31.5 27,31.7 26.5,31.7 26.11,31.31 U1.14
ESP_D-: length 29.4
  In2.Cu w0.2: v1(26.6,29.5) 23.8,26.7 23.8,11 24.49,10.31 24.53,10.31 24.53,9.46 v1(24.55,9.44)
  Bottom w0.18: U10.6 24.47,8.01 24.47,9.37 24.55,9.44 v1(24.55,9.44)
  Bottom w0.2: v1(26.6,29.5) 27.7,30.6 27.7,31.6 27.2,32.1 26.5,32.1 26.02,32.58 U1.13
EX_A: length 121.1
  In2.Cu w0.2: 33.37,17.1 33.37,28.05 26.73,34.69 25.55,34.69 24.62,33.76 24.62,30.09 v1(24.46,29.93) ; 33.37,17.1 35.1,15.37 35.1,11.46 33.43,9.79 33.43,7.97 35.62,5.78 52,5.78 53.95,7.73 53.95,15.36 57.93,19.34 57.93,34.05 58.71,34.83 61.11,34.83 62.23,33.71 62.23,29.19 64.27,27.15 67.05,27.15 68.03,28.13 68.03,35.46 69.42,36.85 v1(69.42,38.82) ; 33.37,17.1 33.37,16.66
  Bottom w0.2: J5.7 68.75,36.79 69.42,37.46 v1(69.42,38.82) ; v1(24.46,29.93) 24.33,30.06 U1.15
EX_B: length 73.2
  In2.Cu w0.2: v1(28.18,34.3) 27.4,35.08 27.4,35.75 28.22,36.57 45.73,36.57 46.37,35.93 62.68,35.93 63.63,34.98 63.63,29.81 64.38,29.06 66.83,29.06 67.49,29.72 67.49,34.4 65.16,36.73 65.16,39.14 65.93,39.91 67.17,39.91 67.85,39.23 68.45,39.23 68.76,39.54 v1(69.99,39.54)
  Bottom w0.2: J5.8 69.25,36.72 70.45,37.92 70.45,39.08 v1(69.99,39.54) ; v1(28.18,34.3) 27.36,35.12 U1.11
EX_C: length 76.4
  Top w0.2: v1(9.65,40.75) 18.2,49.3 v1(40.46,49.3)
  In2.Cu w0.2: v1(70.57,40.16) 70.55,40.14 68.66,40.14 59.5,49.3 v1(40.46,49.3)
  Bottom w0.2: v1(9.65,40.75) 9.1,40.2 U1.34 ; v1(70.57,40.16) 71.04,39.69 71.04,37.78 69.75,36.49 J5.9
EX_D: length 73.6
  Top w0.2: v1(74.58,39.47) 71.58,42.47 71.58,47.85 70.33,49.1 42.35,49.1 31.11,37.86 29.73,37.86 28.48,39.1 27.35,39.1 26.8,39.65 v1(26.8,39.7)
  In2.Cu w0.2: v1(74.58,39.47) 74.58,37.08 v1(70.25,32.75)
  Bottom w0.2: U1.6 25.95,41.47 26.8,40.62 v1(26.8,39.7) ; v1(70.25,32.75) 70.25,31.55 JP4.3
EX_E: length 73.7
  Top w0.2: v1(75.4,39.5) 72,42.9 72,48 70.45,49.55 50.64,49.55 50.59,49.5 42.17,49.5 30.93,38.26 29.89,38.26 28.45,39.7 v1(27.6,39.7)
  Bottom w0.2: JP5.3 74.7,31.2 75.4,31.9 v1(75.4,39.5) ; v1(27.6,39.7) 27.6,41.09 25.95,42.74 U1.5
I2C_SCL: length 197.9
  Top w0.2: v1(66.85,46.9) 66.89,46.86 v1(66.89,39.31) ; v1(73.56,46.89) 73.65,46.97 73.65,52.19 v1(73.6,52.24) ; v1(21,46.9) v1(30.6,46.9)
  In2.Cu w0.15: v1(13.25,21.03) 12.61,20.39 12.57,20.39 12.31,20.13 8.22,20.13 3.68,24.67 3.68,24.84 3.34,25.18 3.1,25.18 v1(3.1,25.4)
  In2.Cu w0.2: v1(79.47,16.88) 79.49,16.85 86.35,16.85 89.6,20.1 89.6,20.76 v1(89.49,20.87) 89.5,20.89 89.5,22 89.75,22.25 89.75,44.5 87.36,46.89 v1(73.56,46.89)
  In2.Cu w0.25: v1(4.7,31.94) 4.86,31.94 6,30.8 v1(6,30.4)
  Bottom w0.15: v1(13.25,21.03) 12.95,20.72 11.79,20.72 10.84,19.78 10.17,19.78 9.8,19.41 U9.16 ; v1(3.1,25.4) 4.9,25.4
  Bottom w0.2: v1(21,46.9) 14.65,46.9 11.25,43.5 11.25,35.75 8.08,32.58 U1.28 6.55,32.58 6,32.03 v1(6,30.4) ; v1(73.6,52.24) 73.65,52.19 73.65,50.51 J2.3 ; v1(89.49,20.87) 87.73,20.87 87.59,20.74 U5.23 ; v1(89.49,20.87) 89.39,20.97 ; v1(89.49,20.87) 89.5,20.86 89.5,19.8 88,18.3 RN1.6 ; U4.6 75.84,17.6 78.6,17.6 79.32,16.88 v1(79.47,16.88) ; J5.3 66.75,38.35 66.85,38.45 66.85,39.27 v1(66.89,39.31) ; v1(73.56,46.89) 73.55,46.9 v1(30.6,46.9)
  Bottom w0.25: RN4.2 v1(3.1,25.4) 3.01,25.4 2,26.41 2,28.19 4.7,30.89 v1(4.7,31.94)
I2C_SDA: length 198.6
  Top w0.2: v1(73.05,47.5) 73.05,51.96 v1(72.75,52.26) ; v1(21.6,47.5) v1(31.15,47.5) ; v1(66.25,47.5) 66.25,38.8 v1(66.25,38.8)
  In2.Cu w0.15: v1(3.1,26.2) 3.8,26.2 5.6,24.4 5.6,23.3 8.42,20.48 10.78,20.48 11.55,21.25 12.45,21.25 v1(12.5,21.3)
  In2.Cu w0.2: v1(73.05,47.5) 87.5,47.5 90.25,44.75 90.25,21.5 v1(90.1,21.5) 90.1,20.03 86.21,16.14 79.18,16.14 78.72,16.59 v1(78.72,18.33)
  Bottom w0.15: v1(12.5,21.3) 12.45,21.25 11.81,21.25 10.69,20.13 9.81,20.13 9.35,19.67 U9.15 ; v1(3.1,26.2) 4.9,26.2
  Bottom w0.2: U5.22 85.24,21.24 85.5,21.5 v1(90.1,21.5) ; v1(66.25,38.8) 66.25,38.8 J5.2 ; v1(90.1,21.5) 90.1,19.83 88.8,18.53 RN1.7 ; v1(90.1,21.5) 90.07,21.47 ; v1(78.72,18.33) 78.59,18.45 U4.5 ; J2.2 73.05,51.96 v1(72.75,52.26) ; v1(73.05,47.5) v1(31.15,47.5) ; v1(21.6,47.5) 14.5,47.5 10.75,43.75 10.75,36.15 8.45,33.85 U1.29 6.97,33.85 5.3,32.18 5.3,30.7 2.85,28.25 2.85,27.6 2.71,27.46 2.67,27.46 2.5,27.28 2.5,26.75 3.05,26.2 v1(3.1,26.2)
  Bottom w0.25: 3.1,26.37 v1(3.1,26.2) RN4.3
IC_D+: length 22.4
  In2.Cu w0.18: v1(13.97,12.78) 13.97,12.53 17.9,8.6 23.05,8.6 23.3,8.35 23.3,7.5 23.28,7.47 23.28,7.45 21.99,6.16 v1(21.98,6.16)
  Bottom w0.18: v1(21.98,6.16) 22,6.18 22,6.87 22.23,7.1 U10.1 ; v1(13.97,12.78) 13.97,12.82 13.44,13.34 12.33,13.34 11.85,13.82 11.85,15.97 11.29,16.53 11.29,17.06 11.26,17.1 11.26,17.13 11.08,17.31 10.6,17.31
IC_D-: length 22.8
  In2.Cu w0.18: v1(14.74,12.59) 14.74,12.46 18.2,9 23.19,9 23.7,8.49 23.7,7.47 24.92,6.25 v1(24.92,6.21) 24.88,6.25 24.86,6.25
  Bottom w0.18: v1(14.74,12.59) 14.74,12.86 13.67,13.93 13.28,13.93 13.28,13.93 12.47,13.93 12.25,14.15 12.25,16.08 12.23,16.09 12.23,16.13 11.67,16.69 11.67,17.22 11.64,17.25 11.64,17.28 11.24,17.68 11.24,17.69 10.63,17.69 10.62,17.7 U9.20 ; U10.7 24.01,7.1 24.86,6.25 24.88,6.25 v1(24.92,6.21)
INT: length 113.4
  Top w0.2: v1(21.6,40.3) v1(31.2,40.3)
  In2.Cu w0.2: 88.88,20.27 88.88,21.12 89.1,21.34 89.1,22.17 89.25,22.32 89.25,44 87,46.25 79.5,46.25 76.15,42.9 v1(76,42.9)
  Bottom w0.2: U1.12 21.65,33.85 21,34.5 21,40.1 21.2,40.3 v1(21.6,40.3) ; v1(31.2,40.3) 47.3,40.3 49.25,42.25 75.35,42.25 v1(76,42.9) ; U5.24 87.19,20.24 87.2,20.25 ; 87.2,20.25 v1(88.9,20.25) ; 87.2,20.25 RN1.5
OLED_CS: length 60.2
  Top w0.2: v1(21,45.7) v1(30.55,45.7) ; v1(45.65,45.7) 45.65,39.13 45.47,38.95 v1(45.47,38.42)
  Bottom w0.2: J3.17 45.8,33.52 45.8,34.38 45.85,34.38 45.85,35.05 45.65,35.25 45.65,37.75 45.65,37.75 45.65,38.24 v1(45.47,38.42) ; U1.24 11.8,30.06 11.8,34.3 12.25,34.75 12.25,43 14.95,45.7 v1(21,45.7) ; v1(30.55,45.7) v1(45.65,45.7)
OLED_D/C: length 45
  Top w0.2: v1(46.85,37.44) 46.85,38 46.85,38 v1(46.85,40.9) ; v1(21,40.9) 21,40.9 v1(30.67,40.9)
  Bottom w0.2: U1.16 21.97,30.94 20.6,32.3 20.6,40.7 20.8,40.9 v1(21,40.9) ; v1(30.67,40.9) v1(46.85,40.9) ; v1(46.85,37.44) 46.85,37.1 46.75,37 J3.15
OLED_RES: length 63
  Top w0.2: v1(46.25,38) 46.25,38.6 46.25,38.6 v1(46.25,46.3) ; v1(21.6,46.3) v1(31.2,46.3)
  Bottom w0.2: v1(31.2,46.3) v1(46.25,46.3) 46.25,46.15 ; v1(21.6,46.3) 14.8,46.3 11.75,43.25 11.75,35.68 9.27,33.2 U1.26 ; v1(46.25,38) J3.16
PWR_BTN: length 11.9
  In2.Cu w0.25: v1(4.8,42.15) 5.1,42.45 7.95,42.45 8.9,41.5 v1(8.9,38.1)
  Bottom w0.25: U1.31 8.09,36.39 8.9,37.2 8.9,38.1 v1(8.9,38.1) ; JP2.3 4.74,42.09 v1(4.8,42.15)
RES: length 78.2
  Top w0.2: v1(75.2,52.25) 75.2,47.25 74.95,47 74.95,42.95 v1(75,42.9) ; v1(21.6,41.5) v1(31.2,41.5)
  Bottom w0.2: v1(21.6,41.5) 21.6,41.5 20.6,41.5 20.2,41.09 20.2,32.1 20.69,31.6 U1.17 ; v1(31.2,41.5) 47.25,41.5 48.63,42.88 74.98,42.88 v1(75,42.9) ; v1(75.2,52.25) 75.05,52.1 J2.6
row1: length 33.7
  Top w0.5: 38.41,34.36 40.41,34.36 ; 72.39,34.36 73.91,34.36 ; 55.41,34.36 56.91,34.36 ; 46.91,34.36 48.41,34.36 ; 63.89,34.36 65.41,34.36 ; 12.89,34.36 14.41,34.36 ; 80.91,34.36 82.41,34.36 ; 21.41,34.36 23.41,34.36 ; 29.91,34.36 31.41,34.36
  In2.Cu w0.2: v1(73.6,22.2) 73.8,22.4 v1(73.8,34.3)
  Bottom w0.2: v1(73.6,22.2) 74.05,22.65 76.85,22.65 78.76,20.74 U5.8
row2: length 25.4
  Top w0.2: 15.39,23.09 11.57,23.09 11.64,23.16 11.64,26.62 12.25,27.23
  Top w0.5: SW38.2 65.23,25.6 ; SW32.2 56.73,25.6 ; SW6.2 74.23,25.6 ; SW26.2 48.23,25.6 ; SW14.2 31.23,25.6 ; 21.21,25.6 22.73,25.6 ; SW18.2 82.23,25.6 ; SW20.2 40.23,25.6
  Bottom w0.2: v1(76.3,22.05) 76.3,21.9 77.96,20.24 U5.7
row3: length 15.4
  Top w0.5: SW3.2 14.23,16.8 ; 38.21,16.8 39.73,16.8 ; 63.71,16.8 65.23,16.8 ; SW15.2 31.23,16.8 ; SW33.2 56.73,16.8 ; SW23.2 82.23,16.8 ; SW27.2 48.73,16.8 ; SW9.2 23.23,16.8 ; SW11.2 73.73,16.8
  Bottom w0.2: v1(79.5,19.4) 79.61,19.51 U5.6
row4: length 21.2
  Top w0.5: 21.21,8 22.73,8 ; SW34.2 56.73,8 ; 38.21,8 39.73,8 ; 46.71,8 48.23,8 ; 63.71,8 65.23,8 ; 29.71,8 31.23,8 ; SW12.2 73.73,8
  Bottom w0.2: U5.5 80.84,18.94 80.4,18.5 80.4,15.25 81.25,14.4 81.25,10.6 80.5,9.85 v1(80.5,9.8)
RTC_INT: length 90
  In2.Cu w0.2: v1(9,46.6) 11.7,49.3 31.4,49.3 32.85,47.85 v1(32.85,38.6) ; v1(47.55,22.35) 47.55,29.3 44.58,32.27 44.58,34.92 43.45,36.05 33.4,36.05 v1(33.2,35.85)
  Bottom w0.2: U4.3 69.98,17.19 R11.1 64.81,22.35 v1(47.55,22.35) ; v1(32.85,38.6) 33.2,38.25 v1(33.2,35.85) ; U1.39 7.55,46.6 v1(9,46.6)
RX: length 72.9
  In2.Cu w0.2: v1(66,30.14) 65.94,30.2 64.6,30.2 64.2,30.6 64.2,35.4 63.2,36.4 46.47,36.4 45.87,37 45.83,37 45.73,37.1 22.93,37.1 22.93,37.1 22.9,37.1 22.4,37.6 14.05,37.6 v1(8.9,42.75)
  Bottom w0.2: JP5.1 70.84,30.14 v1(66,30.14) ; U1.36 8.89,42.74 v1(8.9,42.75)
SD_CLK: length 103.1
  Top w0.2: v1(30.67,43.3) 21,43.3 v1(21,43.3)
  In2.Cu w0.2: v1(80.7,42.6) v1(80.7,44.8)
  Bottom w0.2: U1.20 16.89,31.62 13.95,34.55 13.95,34.69 13.95,34.69 13.95,42.18 13.95,42.18 13.95,42.2 15.05,43.3 v1(21,43.3) ; J4.5 91.66,36.39 91,37.04 91,38.62 84.82,44.8 76.4,44.8 76.2,44.6 47.85,44.6 46.55,43.3 v1(30.67,43.3) ; v1(80.7,42.6) 80,42.6 JP3.1
SD_CMD: length 110.1
  Top w0.2: v1(21.6,42.7) v1(31.2,42.7)
  In2.Cu w0.2: v1(85.8,38.1) 87.7,40 v1(88.65,40)
  Bottom w0.2: RN3.6 85.6,37.9 v1(85.8,38.1) ; J4.3 91.56,34.19 90.25,35.5 90.25,38.5 84.75,44 48,44 46.7,42.7 v1(31.2,42.7) ; v1(21.6,42.7) 21.6,42.7 21.25,42.7 21.25,42.7 20.75,42.7 20.75,42.7 20.6,42.7 20.4,42.9 15.23,42.9 14.35,42.02 14.35,34.85 18.16,31.05 U1.19
SD_CS: length 82.9
  Top w0.2: v1(21,42.1) 21,42.1 v1(30.67,42.1)
  Bottom w0.2: v1(30.67,42.1) 47.1,42.1 48.5,43.5 81.85,43.5 JP1.1 ; v1(21,42.1) 20.64,42.1 20.24,42.5 15.4,42.5 14.75,41.85 14.75,35.15 19.42,30.48 U1.18
SD_D0: length 110.4
  Top w0.2: v1(91.26,39.21) 90.75,38.7 v1(88.3,38.7) ; v1(21.6,43.9) v1(31.2,43.9)
  Bottom w0.2: U1.21 15.61,32.29 13.6,34.3 13.6,34.34 13.55,34.39 13.55,34.52 13.55,34.52 13.55,42.35 13.55,42.35 13.55,42.37 13.6,42.42 13.6,42.45 15.05,43.9 19.15,43.9 19.15,43.9 19.65,43.9 19.65,43.9 ; 19.65,43.9 20,43.9 ; 19.65,43.9 19.65,43.9 21.6,43.9 v1(21.6,43.9) ; v1(91.26,39.21) 91.19,39.21 91.15,39.25 ; 91.15,39.25 91.81,38.59 J4.7 ; 91.15,39.25 84.8,45.6 76.48,45.6 75.98,45.1 67.24,45.1 67.24,45.1 49,45.1 49,45.1 48.5,45.1 48.5,45.1 47.65,45.1 46.45,43.9 v1(31.2,43.9) ; RN3.5 v1(88.3,38.7)
